# Altium PCB qfc.PcbDoc (part 1 of 13) (continued)
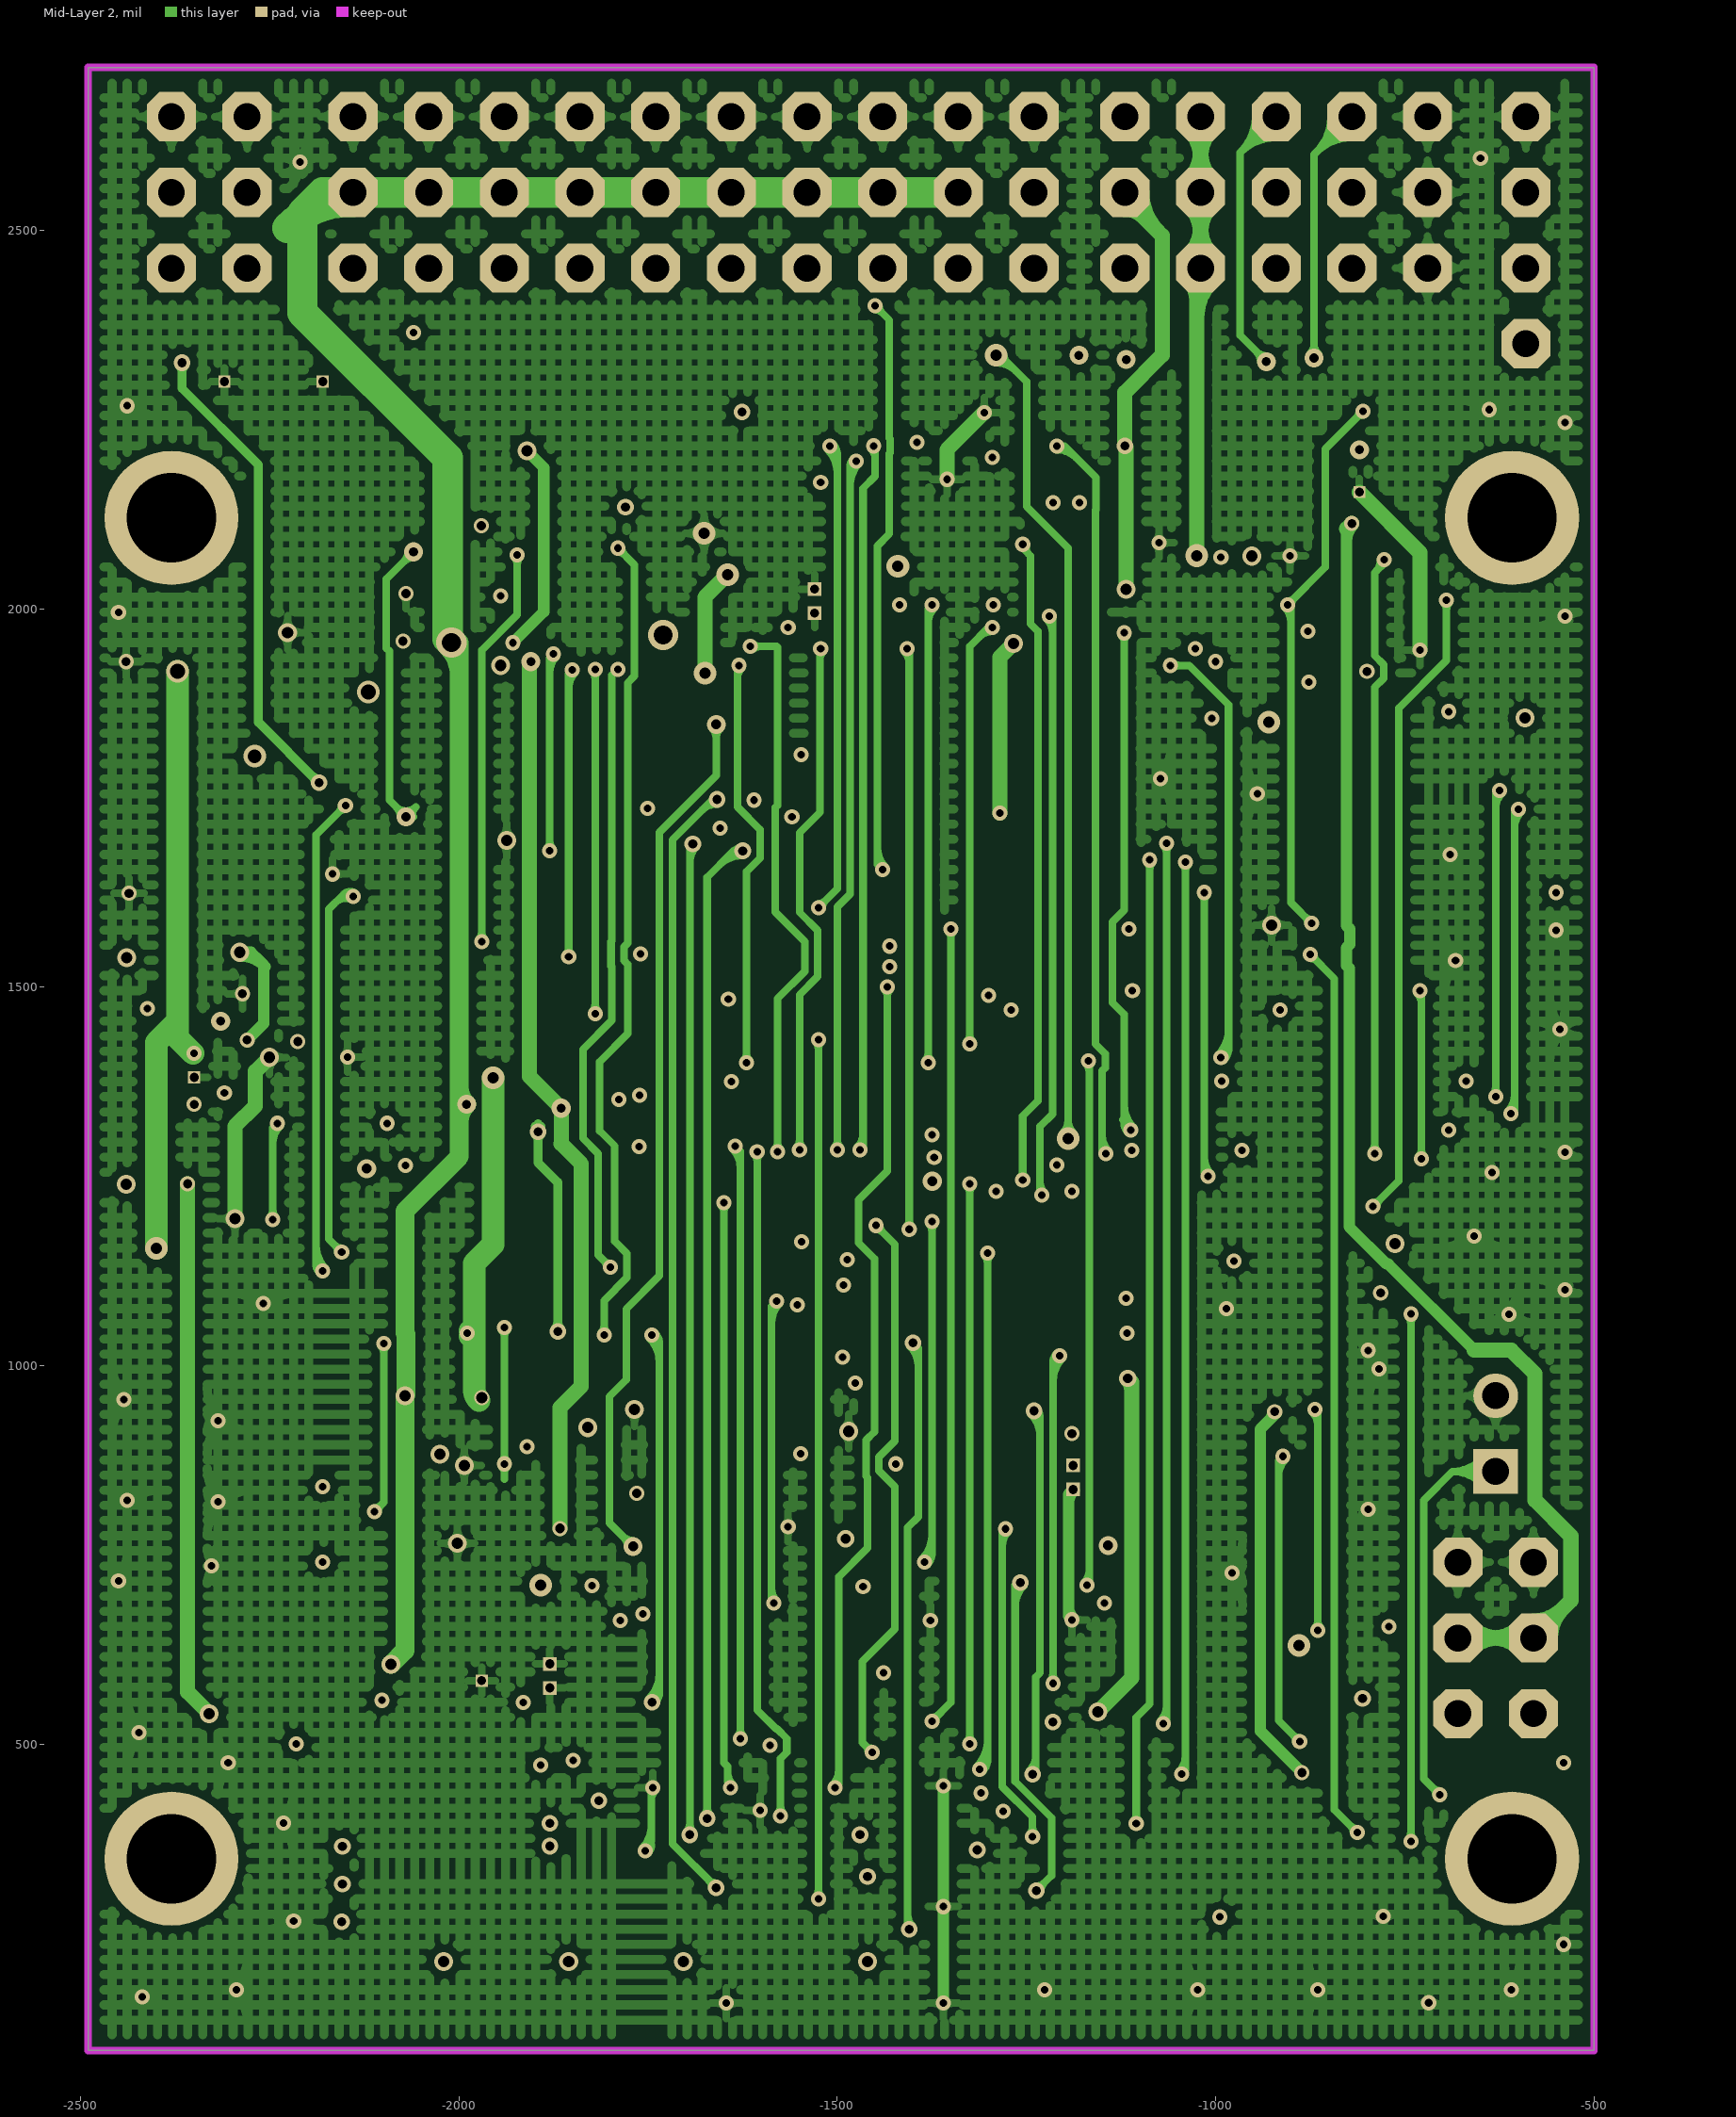
[diagram p3: Mid-Layer 2]
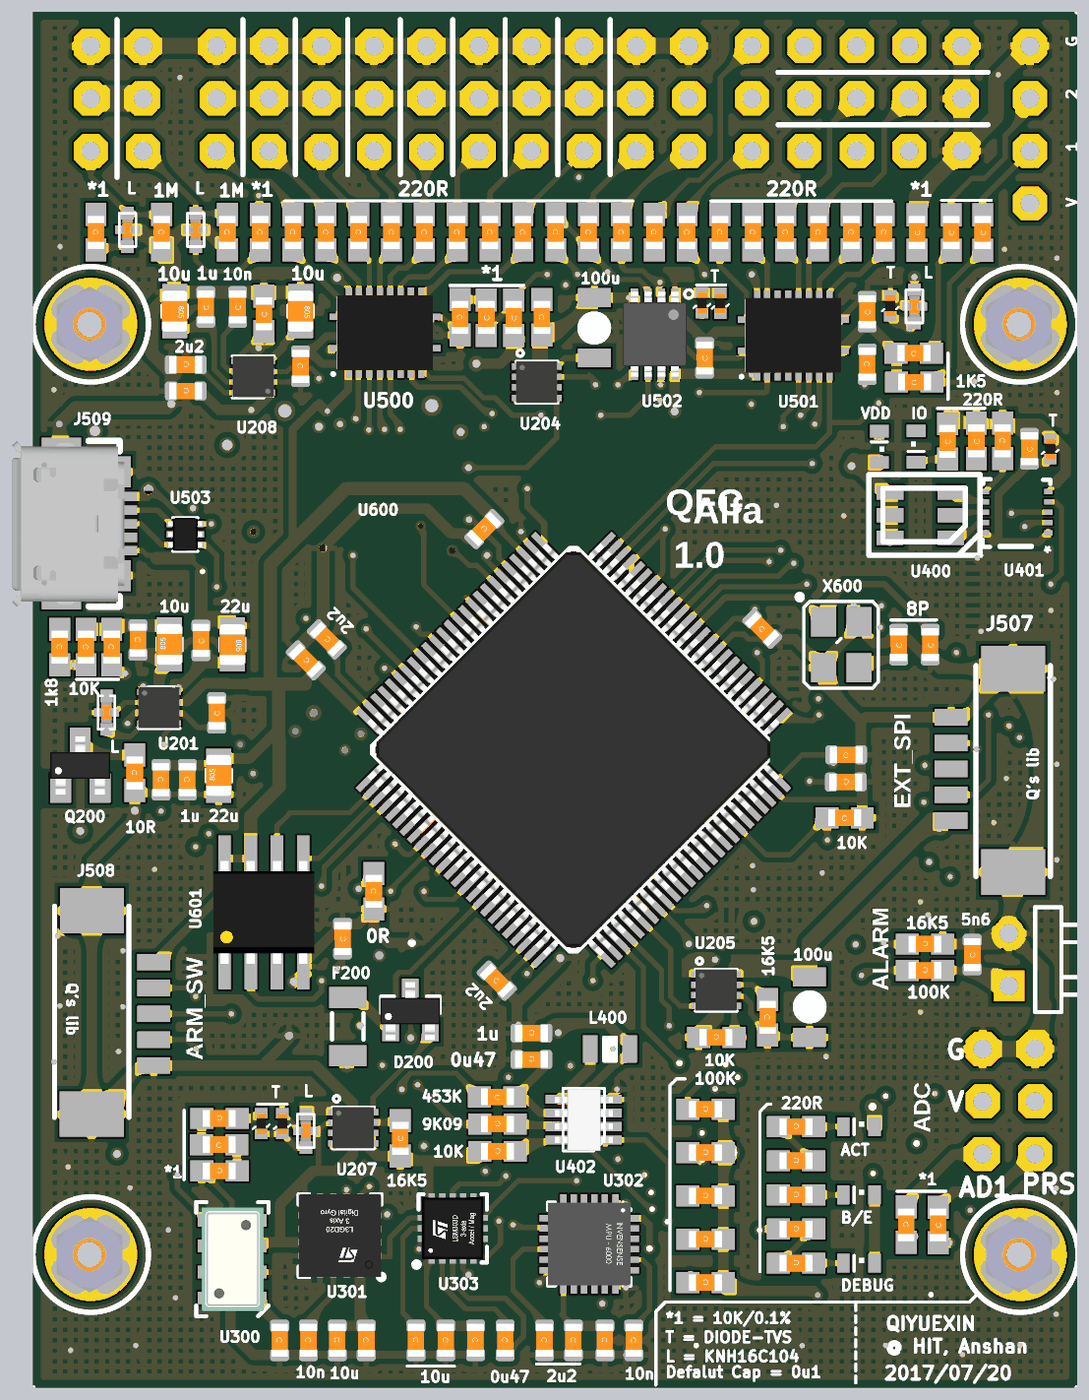
[diagram p16: 3D render of the assembled board from above, using the file's embedded part models]
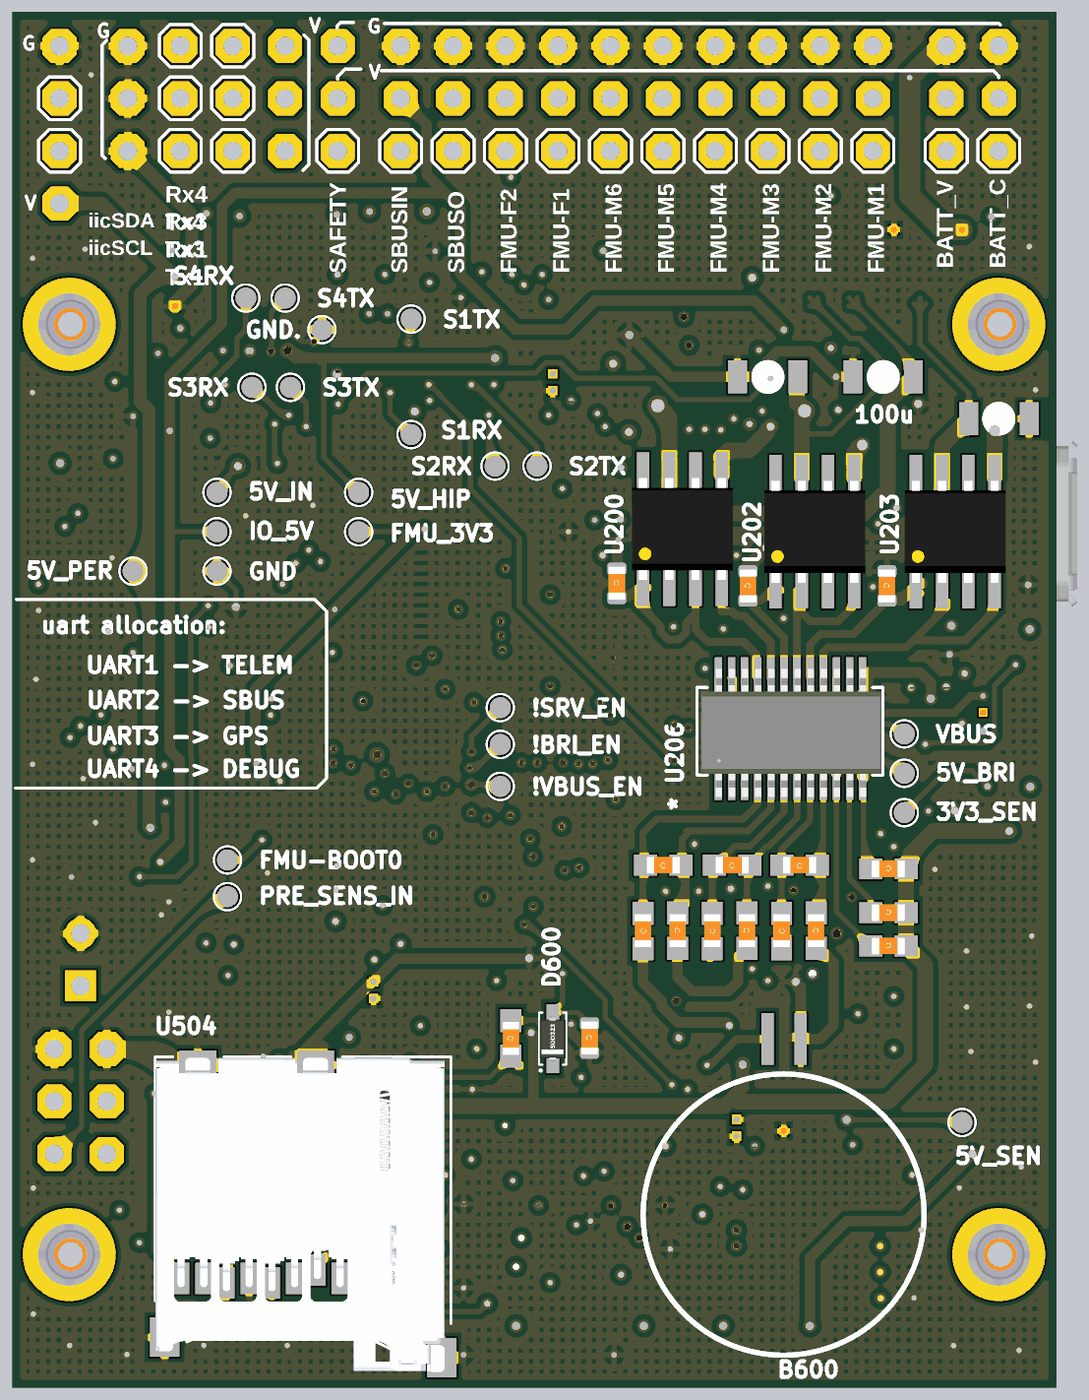
[diagram p17: 3D render of the assembled board from below, using the file's embedded part models]

## Layer stack, top to bottom
Top Layer: signal copper 1.4
Dielectric: core 12.6, FR-4, Dk 4.8
Mid-Layer 1: signal copper 1.4
Dielectric: prepreg 12.6, FR-4, Dk 4.8
Mid-Layer 2: signal copper 1.4
Dielectric: core 12.6, FR-4, Dk 4.8
Bottom Layer: signal copper 1.4

## Board outline
-2490,95 -500,95 -500,2715 -2490,2715

## Design rules (kind name [scope] priority, off if disabled: settings)
Clearance Clearance_tiny [InNetClass('Tiny_componet')] p1: gap=7
Clearance [All] p2: gap=10
ComponentClearance ComponentClearance_J [(InComponent('J500') OR InComponent('J501') OR InComponent('J502') OR InComponent('J503') OR InComponent('J504') OR InComponent('J505') OR InComponent('J506')OR InComponent('J507'))] p1: gap=0 collisioncheckmode=3 verticalgap=0 showdistances=FALSE
ComponentClearance [All] p2: gap=10 collisioncheckmode=3 verticalgap=10 showdistances=FALSE
PolygonConnect [All] p1: connectstyle=Relief reliefconductorwidth=10 reliefentries=4 polygonreliefangle="90 Angle"
RoutingVias [All] p1: holewidth=13 width=25 viastyle="Through Hole" minholewidth=8 minwidth=18 maxholewidth=30 maxwidth=50
SilkscreenOverComponentPads [All] p1: minsilkscreentomaskgap=10
SolderMaskExpansion [All] p1: expansion=4
Width "Schematic Width Constraint_1" [InNetClass('PWR1_NetClass')] p1: maxlimit=60 minlimit=10 preferedwidth=30
Width "Schematic Width Constraint" [InNetClass('PWR2_NetClass')] p2: maxlimit=30 minlimit=10 preferedwidth=20
Width [All] p3: maxlimit=40 minlimit=10 preferedwidth=13
26 further rules are at their usual default settings.

## Classes and differential pairs
net class Tiny_componet: !VBUS_VALID !VDD_BRICK_VALID !VDD_SERVO_VALID FMU-!RESET FMU-UART1_RX FMU-UART1_TX FMU-UART3_RX FMU-UART3_TX FMU-UART4_RX FMU-UART4_TX FMU-VDD_3V3 FRAM_MISO FRAM_MOSI FRAM_SCK GND IO-VDD_5V5 NetC210_P$1 NetC212_P$1 NetC219_P$1 NetC221_P$1 NetC306_P$1 NetC307_P$1 NetC310_P$1 NetC310_P$2 NetC311_P$1 NetC402_P$1 NetC403_P$1 NetC502_P$2 "NetC 600_P$1" "NetC 601_P$2" NetD200_2 NetD501_C NetJ400_GND NetJ507_2 NetJ507_3 NetJ507_4 NetJ508_2 NetJ508_3 NetJ508_4 NetJ509_D+ NetJ509_D- NetL400_P$2 NetR200_1 NetR214_1 NetR219_2 NetR223_1 NetR225_1 NetR227_2 NetR403_1 NetR405_1 NetR406_1 NetR407_1 NetR408_2 NetR410_1 NetR411_1 NetR411_2 NetR413_2 NetR500_2 NetR501_1 NetR502_1 NetR503_2 NetR504_1 NetR505_1 NetR508_1 NetR509_1 NetR510_1 NetR511_1 NetR514_1 NetR515_1 NetR516_1 NetR517_1 NetR518_1 NetR519_1 NetR520_1 NetR521_2 NetR522_2 NetR527_1 NetR528_1 NetR529_1 NetR530_1 NetR531_1 NetR532_1 NetU204_4 NetU205_4 NetU207_4 NetU208_3 NetU300_5 NetU301_5 NetU301_6 NetU302_8 NetU302_12 NetU303_8 NetU303_9 NetU303_11 NetU400_C1 NetU400_C2 NetU400_C3 NetU401_2 NetU401_3 NetU500_1 NetU500_3 NetU500_4 NetU500_5 NetU500_6 NetU500_7 NetU500_8 NetU500_9 NetU502_7 NetU503_4 NetU503_6 NetU504_5 SBUS_INPUT SBUS_OUTPUT SPI_INT_MISO SPI_INT_MOSI SPI_INT_SCK VBUS VDD_3V3_SENSORS VDD_3V3_SPEKTRUM VDD_5V_HIPOWER VDD_5V_IN VDD_5V_PERIPH VDD_SERVO_IN
net class PWR2_NetClass: FMU-VDD_3V3 GND IO-VDD_5V5 NetC212_P$1 NetC219_P$1 NetD200_1 NetD200_2 VDD_3V3_SENSORS VDD_3V3_SPEKTRUM VDD_5V_HIPOWER VDD_5V_IN VDD_5V_PERIPH
net class PWR1_NetClass: GND NetC200_P$2 NetC202_P$2 NetC204_P$2 NetD201_C NetU200_2 NetU202_2 NetU203_2 VBUS VDD_5V_BRICK VDD_5V_IN VDD_SENSOR VDD_SERVO_IN
component class U_fmu: B600 C600 C601 C602 C603 C604 C605 C606 C607 C608 "C 600" "C 601" D600 R600 R601 U600 U601 X600
component class U_interface: C500 C501 C502 C503 D500 D501 D502 J500 J501 J502 J503 J504 J505 J506 J507 J508 J509 L500 L501 L502 R500 R501 R502 R503 R504 R505 R506 R507 R508 R509 R510 R511 R512 R513 R514 R515 R516 R517 R518 R519 R520 R521 R522 R523 R524 R525 R526 R527 R528 R529 R530 R531 R532 U500 U501 U502 U503 U504
component class U_LEDs: C400 C401 C402 C403 D400 J400 L400 LED400 LED401 LED402 LED403 LED404 P400 R400 R401 R402 R403 R404 R405 R406 R407 R408 R409 R410 R411 R412 R413 R414 U400 U401 U402
component class U_power: C200 C201 C202 C203 C204 C205 C206 C207 C208 C209 C210 C211 C212 C213 C214 C215 C216 C217 C218 C219 C220 C221 D200 D201 D202 F200 L200 L201 Q200 R200 R201 R202 R203 R204 R205 R206 R207 R208 R209 R210 R211 R212 R213 R214 R215 R216 R217 R218 R219 R220 R221 R222 R223 R224 R225 R226 R227 U200 U201 U202 U203 U204 U205 U206 U207 U208
component class U_sensors: C300 C301 C302 C303 C304 C305 C306 C307 C308 C309 C310 C311 U300 U301 U302 U303
component class top: 3V3_SEN 5V_BRI 5V_HIP 5V_IN 5V_PER 5V_SEN !BRI_EN !SRV_EN !VBUS_EN !VBUS_VALID !VDD_BRICK_VALID !VDD_SERVO_VALID FMU-BOOT0 FMU-VDD_3V3 FMU_3V3 GND GND. IO-VDD_5V5 IO_5V M3_MOUNT? M100 M101 M102 M103 PRE_SENS_IN PRESSURE_SENS_IN S1RX S1TX S2RX S2TX S3RX S3TX S4RX S4TX VBUS VDD_3V3_SENSORS VDD_5V_BRICK VDD_5V_HIPOWER VDD_5V_IN VDD_5V_PERIPH VDD_SENSOR

## Components (designator, comment, footprint, x,y, rotation, side; value= is the part's Value field where it differs from the comment)
3V3_SEN "PAD.04" PAD.04X.04 -2200,1190 r270 bottom
5V_BRI "PAD.04" PAD.04X.04 -2200,1265 r0 bottom
5V_HIP "PAD.04" PAD.04X.04 -1160,1800 r270 bottom
5V_IN "PAD.04" PAD.04X.04 -890,1800 r270 bottom
5V_PER "PAD.04" PAD.04X.04 -730,1650 r270 bottom
5V_SEN "PAD.04" PAD.04X.04 -2310,600 r0 bottom
!BRI_EN "PAD.04" PAD.04X.04 -1430,1320 r270 bottom
!SRV_EN "PAD.04" PAD.04X.04 -1430,1390 r270 bottom
!VBUS_EN "PAD.04" PAD.04X.04 -1430,1240 r270 bottom
B600 "MS621FE" MS621FE -1970,424.01 r90 bottom
C200 "0u1" 0603-CAP -1652,1626.76 r270 bottom
C201 "100u" 1206-CAP -2160,2020 r0 bottom
C202 "0u1" 0603-CAP -1902,1621.76 r270 bottom
C203 "100u" 1206-CAP -1940,2020 r0 bottom
C204 "0u1" 0603-CAP -2167,1621.76 r270 bottom
C205 "1u" 0603-CAP -2196,1252.69 r270 top
C206 "0u1" 0603-CAP -2246,1252.69 r270 top
C207 "22u/25V" 0805 -2136,1260.69 r270 top
C208 "0u1" 0603-CAP -2170,1518 r90 top
C209 "22u/25V" 0805 -2110,1510 r90 top
C210 "10n" 0603-CAP -2140,1380 r90 top
C211 "100u" 1206-CAP -2380,1940 r180 bottom
C212 "0u1" 0603-CAP -2290,1518.74 r270 top
C213 "10u/25" 0805 -2230,1510.57 r270 top
C214 "100u" 1206-CAP -1420,2113 r90 top
C215 "100u" 1206-CAP -1010,820 r270 top
C216 "0u1" 0603-CAP -2199,1993 r180 top
C217 "10u/25" 0805 -1980,2145 r90 top
C218 "2u2" 0603-CAP -2199,2043 r180 top
C219 "1u" 0603-CAP -2160.77,2153 r90 top
C220 "10u/25" 0805 -2220,2145 r90 top
C221 "10n" 0603-CAP -2100,2153 r90 top
C300 "0u1" 0603-CAP -2020,185 r270 top
C301 "10u" 0603-CAP -1910,185 r270 top
C302 "0u1" 0603-CAP -1855,185 r270 top
C303 "10n" 0603-CAP -1965,185 r270 top
C304 "2u2" 0603-CAP -1460,185 r270 top
C305 "0u1" 0603-CAP -1400,185 r270 top
C306 "2u2" 0603-CAP -1515,185 r270 top
C307 "10n" 0603-CAP -1345,185 r270 top
C308 "10u" 0603-CAP -1703.33,185 r270 top
C309 "0u1" 0603-CAP -1646.67,185 r270 top
C310 "0u47" 0603-CAP -1590,185 r270 top
C311 "10u" 0603-CAP -1760,185 r270 top
C400 "0u1" 0603-CAP -591,1883 r90 top
C401 "1u" 0603-CAP -1540,770 r180 top
C402 "0u47" 0603-CAP -1540,720 r180 top
C403 "5n6" 0603-CAP -700,919.69 r90 top
C500 "0u1" 0603-CAP -1980,2040 r270 top
C501 "0u1" 0603-CAP -900,2144 r90 top
C502 "0u1" 0603-CAP -900,2044 r270 top
C503 "0u1" 0603-CAP -1210,2056 r90 top
C600 "0u1" 0603-CAP -1630,1730 r225 top
C601 "0u1" 0603-CAP -940,1300 r0 top
C602 "0u1" 0603-CAP -1100,1540 r315 top
C603 "2u2" 0603-CAP -1930,1520 r135 top
C604 "2u2" 0603-CAP -1606,870 r315 top
C605 "0u1" 0603-CAP -1970,1480 r135 top
C606 "0u1" 0603-CAP -1900,950 r90 top
C607 "0u1" 0603-CAP -940.98,1248.31 r180 top
C608 "0u1" 0603-CAP -1600,760.74 r270 bottom
"C 600" "8p" 0603-CAP -840,1510 r90 top
"C 601" "8p" 0603-CAP -780,1510 r90 top
D200 "PMEG2005CT" SOT23-3 -1771,812.08 r0 top
D201 "DIODE-TVS" 0402-TVS -2055,597.61 r90 top
D202 "DIODE-TVS" 0402-TVS -2015,597.61 r90 top
D400 "DIODE-TVS" 0402-TVS -551,1883 r90 top
D500 "DIODE-TVS" 0402-TVS -856,2155 r90 top
D501 "DIODE-TVS" 0402-TVS -1215,2161 r90 top
D502 "DIODE-TVS" 0402-TVS -1180,2160 r90 top
D600 "Schottky barrier diode" SOD323 -1530,759.21 r90 bottom
F200 "0ZCA0035FF2G" PTC-1206 -1890,783 r270 top
FMU-BOOT0 "PAD.04" PAD.04X.04 -910,1100 r90 bottom
FMU_3V3 "PAD.04" PAD.04X.04 -1160,1725 r270 bottom
GND "PAD.04" PAD.04X.04 -890,1650 r270 bottom
GND. "PAD.04" PAD.04X.04 -1090,2110 r0 bottom
IO_5V "PAD.04" PAD.04X.04 -890,1725 r270 bottom
J400 "HDR 3X1" HDR3X1H -1120,2450 r0 top
J500 "HDR 3X2" HDR3X2H -2380,2450 r0 top
J501 "HDR 3X9" HDR3X9H -2140,2450 r0 top
J502 "HDR 3X1" HDR3X1H -1240,2450 r0 top
J503 "HDR 3X1" HDR3X1H -580,540 r0 top
J504 "HDR 4X3" HDR4X3 -1020,2450 r0 top
J505 "HDR 3X1" HDR3X1H -680,540 r0 top
J506 "HDR 4X1" HDR4X1 -590,2350 r90 top
J507 "DF13C-5P-1.25V" 1.25-5P -740,1470 r90 top
J508 "DF13C-5P-1.25V" 1.25-5P -2260,610 r270 top
J509 "47346-0001" MOLEX-47346-0001 -2436,1740 r0 top
L200 "Kyocera KNH16C104DA5TS EMI filter" KYOCERA-KNH16-DA -2350,1380.74 r270 top
L201 "Kyocera KNH16C104DA5TS EMI filter" KYOCERA-KNH16-DA -1970,583.61 r90 top
L400 "47uH" 0805-IND -1390,740 r180 top
L500 "Kyocera KNH16C104DA5TS EMI filter" KYOCERA-KNH16-DA -2310,2300 r270 top
L501 "Kyocera KNH16C104DA5TS EMI filter" KYOCERA-KNH16-DA -2180,2300 r270 top
L502 "Kyocera KNH16C104DA5TS EMI filter" KYOCERA-KNH16-DA -810,2154 r90 top
LED400 "AMBER" 0603-LED -915.98,592 r0 top
LED401 "GREEN" 0603-LED -877,1887 r270 top
LED402 "AMBER" 0603-LED -915.98,332 r0 top
LED403 "BLUE" 0603-LED -915.98,462 r0 top
LED404 "GREEN" 0603-LED -807,1887 r90 top
M100 "MOUNT-HOLE1.8MM" HOLE-3MM -2380,2120 r0 top
M101 "MOUNT-HOLE1.8MM" HOLE-3MM -608.35,2120 r0 top
M102 "MOUNT-HOLE1.8MM" HOLE-3MM -608.35,348.35 r0 top
M103 "MOUNT-HOLE1.8MM" HOLE-3MM -2380,348.35 r0 top
P400 "Header 2H" HDR1X2H -630,860 r90 top
PRE_SENS_IN "PAD.04" PAD.04X.04 -910,1030 r90 bottom
Q200 "MMBT3906*SMD" SOT23-BEC -2400,1280 r0 top
R200 "1k8" 0603-RES -2439,1505 r90 top
R201 "10R" 0603-RES -2296,1265.69 r90 top
R202 "10K" 0603-RES -2340,1505 r90 top
R203 "10K" 0603-RES -2389,1505 r90 top
R204 "1M" 0603-RES -2169.5,1083 r180 bottom
R205 "1M" 0603-RES -2169.5,999.53 r180 bottom
R206 "1M" 0603-RES -2169.5,936.06 r180 bottom
R207 "453K" 0603-RES -1702,965 r270 bottom
R208 "453K" 0603-RES -1834,965 r270 bottom
R209 "56K" 0603-RES -1740.66,1089.94 r0 bottom
R210 "0R" 0603-RES -1840.47,1040 r90 top
R211 "56K" 0603-RES -1872,1089.94 r0 bottom
R212 "105K" 0603-RES -1768,965 r90 bottom
R213 "453K" 0603-RES -1966,965 r270 bottom
R214 "10K/0.1%" 0603-RES -1574,2133 r270 top
R215 "105K" 0603-RES -1900,965 r90 bottom
R216 "56K" 0603-RES -2000.66,1089.94 r0 bottom
R217 "10K/0.1%" 0603-RES -1626,2133 r270 top
R218 "105K" 0603-RES -2032,965 r90 bottom
R219 "10K" 0603-RES -1188.19,762.16 r0 top
R220 "10K/0.1%" 0603-RES -1676,2133 r90 top
R221 "16K5" 0603-RES -1520,2133 r90 top
R222 "16K5" 0603-RES -1090,800 r90 top
R223 "16K5" 0603-RES -1790,570 r270 top
R224 "10K/0.1%" 0603-RES -2135,607.61 r0 top
R225 "10K/0.1%" 0603-RES -2135,557.61 r180 top
R226 "10K/0.1%" 0603-RES -2135,507.61 r0 top
R227 "10K" 0603-RES -2050,2140 r270 top
R400 "220R" 0603-RES -1035.98,592 r0 top
R401 "220R" 0603-RES -692,1898 r270 top
R402 "220R" 0603-RES -1035.98,332 r0 top
R403 "220R" 0603-RES -1035.98,462 r0 top
R404 "220R" 0603-RES -747,1897 r270 top
R405 "220R" 0603-RES -1035.98,527 r0 top
R406 "220R" 0603-RES -1035.98,397 r0 top
R407 "10K" 0603-RES -642,1898 r90 top
R408 "453K" 0603-RES -1605,648.73 r180 top
R409 "16K5" 0603-RES -790,939.69 r0 top
R410 "68R" 0603-RES -1243.33,2295 r90 top
R411 "9K09" 0603-RES -1605,596.87 r0 top
R412 "1K5" 0603-RES -1305.93,2295 r90 top
R413 "10K" 0603-RES -1605,545 r0 top
R414 "100K" 0603-RES -790,889.69 r0 top
R500 "10K/0.1%" 0603-RES -2370,2295 r90 top
R501 "220R" 0603-RES -1994.45,2295 r90 top
R502 "220R" 0603-RES -1931.85,2295 r90 top
R503 "10K/0.1%" 0603-RES -2057.04,2295 r90 top
R504 "220R" 0603-RES -1869.26,2295 r90 top
R505 "220R" 0603-RES -1806.67,2295 r90 top
R506 "1M" 0603-RES -2244.82,2295 r90 top
R507 "1M" 0603-RES -2119.63,2295 r90 top
R508 "220R" 0603-RES -1744.08,2295 r90 top
R509 "220R" 0603-RES -1681.48,2295 r90 top
R510 "220R" 0603-RES -1618.89,2295 r90 top
R511 "220R" 0603-RES -1556.3,2295 r90 top
R512 "10K/0.1%" 0603-RES -765,404.96 r270 top
R513 "10K/0.1%" 0603-RES -805.19,2295 r270 top
R514 "220R" 0603-RES -1180.74,2295 r90 top
R515 "220R" 0603-RES -1118.15,2295 r90 top
R516 "10K/0.1%" 0603-RES -825.76,404.96 r90 top
R517 "220R" 0603-RES -1055.56,2295 r90 top
R518 "220R" 0603-RES -992.97,2295 r90 top
R519 "220R" 0603-RES -930.37,2295 r90 top
R520 "220R" 0603-RES -867.78,2295 r90 top
R521 "120R" 0603-RES -680,2295 r270 top
R522 "120R" 0603-RES -740,2295 r270 top
R523 "1K5" 0603-RES -811,2065 r180 top
R524 "220R" 0603-RES -1368.52,2295 r90 top
R525 "1K5" 0603-RES -810,2010 r180 top
R526 "220R" 0603-RES -1431.11,2295 r90 top
R527 "220R" 0603-RES -1493.7,2295 r90 top
R528 "100K" 0603-RES -1208.5,295 r0 top
R529 "100K" 0603-RES -1208.5,377.5 r0 top
R530 "100K" 0603-RES -1208.5,460 r0 top
R531 "100K" 0603-RES -1208.5,542.5 r0 top
R532 "100K" 0603-RES -1208.5,625 r0 top
R600 "1K" 0603-RES -1450,760 r90 bottom
R601 "10K" 0603-RES -942.98,1180.31 r180 top
S1RX "PAD.04" PAD.04X.04 -1260,1910 r0 bottom
S1TX "PAD.04" PAD.04X.04 -1260,2130 r0 bottom
S2RX "PAD.04" PAD.04X.04 -1420,1850 r0 bottom
S2TX "PAD.04" PAD.04X.04 -1500,1850 r0 bottom
S3RX "PAD.04" PAD.04X.04 -956.5,2000 r0 bottom
S3TX "PAD.04" PAD.04X.04 -1030,2000 r0 bottom
S4RX "PAD.04" PAD.04X.04 -945,2170 r0 bottom
S4TX "PAD.04" PAD.04X.04 -1020,2170 r0 bottom
U200 "IRF7324" SO08 -1777,1730 r180 bottom
U201 "MIC5332" MLF-8-EPAD -2250,1390 r0 top
U202 "IRF7324" SO08 -2029.5,1725 r180 bottom
U203 "IRF7324" SO08 -2297,1725 r180 bottom
U204 "BQ24315" QFN8-DSG -1530,2010 r270 top
U205 "BQ24315" QFN8-DSG -1188.19,852.16 r270 top
U206 "LTC4417IGN" SSOP-24_GN -1982,1345 r90 bottom
U207 "BQ24313" QFN8-DSG -1880,590 r270 top
U208 "MIC5332" MLF-8-EPAD -2070,2020 r180 top
U300 "MS5611-01BA" MS5611-01BA -2110,340 r180 top
U301 "L3GD20" L3GD20 -1905,384.53 r180 top
U302 "MPU-6000" QFN-24 -1430,368.53 r270 top